# KiCad board mekanical HS.kicad_pcb
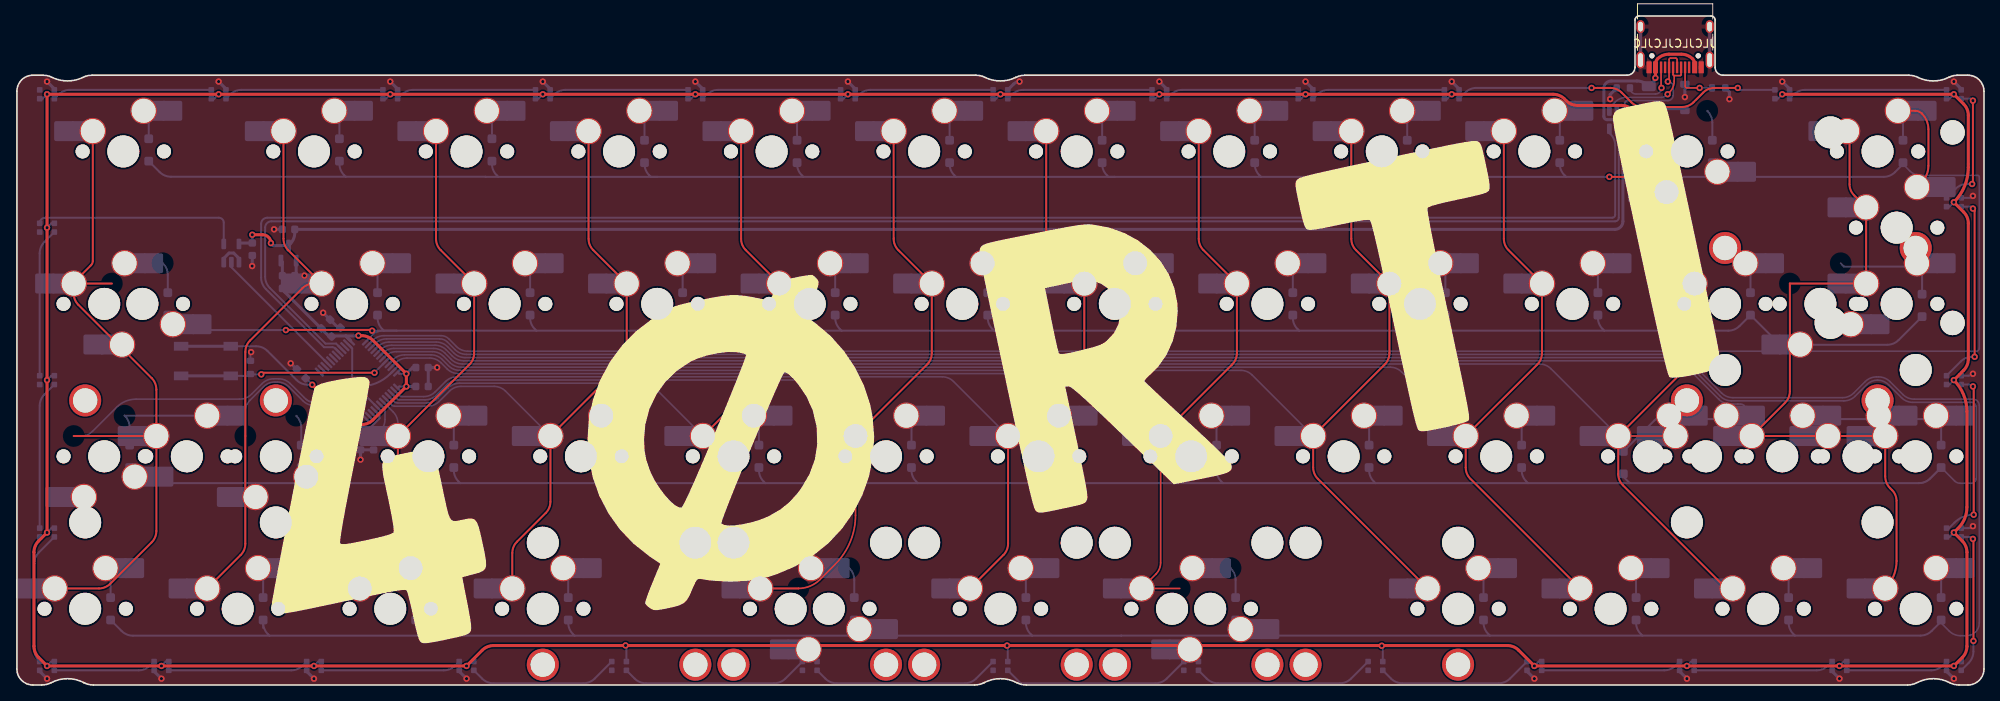
[diagram p0: board, top side]
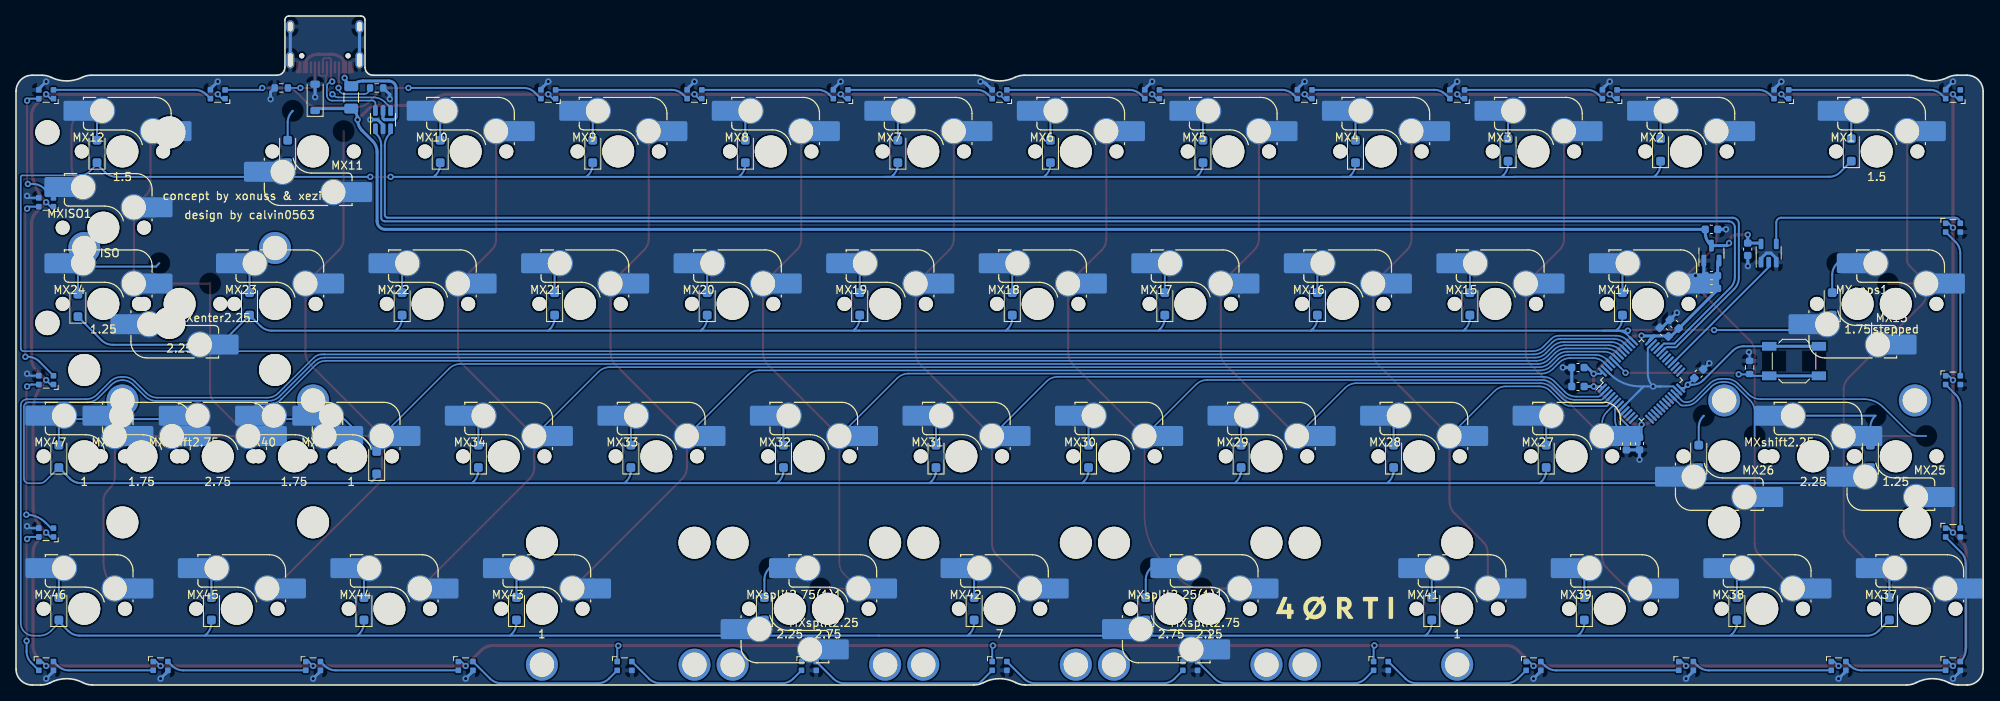
[diagram p1: board, bottom side, seen from below]

Outline 245.65 x 83.6 mm; copper layers: Top, Bottom. Coordinates in mm from the lower left corner of the outline.
Outline path: 0,74.2 0,2 arc(0.59,0.59) 2,0 3.12,0 arc(3.72,0.07) 4.28,0.29 arc(6.33,0.79) 8.37,0.29 arc(8.93,0.07) 9.53,0 119.62,0 arc(120.22,0.07) 120.78,0.29 arc(122.83,0.79) 124.87,0.29 arc(125.43,0.07) 126.03,0 236.12,0 arc(236.72,0.07) 237.28,0.29 arc(239.33,0.79) 241.37,0.29 arc(241.93,0.07) 242.53,0 243.65,0 arc(245.06,0.59) 245.65,2 245.65,74.2 arc(245.06,75.61) 243.65,76.2 242.38,76.2 arc(241.81,76.13) 241.27,75.94 arc(239.33,75.49) 237.38,75.94 arc(236.84,76.13) 236.27,76.2 213.07,76.2 arc(212.36,76.49) 212.07,77.2 212.07,83.1 arc(211.92,83.45) 211.57,83.6 202.57,83.6 arc(202.22,83.45) 202.07,83.1 202.07,77.2 arc(201.78,76.49) 201.07,76.2 125.88,76.2 arc(125.31,76.13) 124.77,75.94 arc(122.83,75.49) 120.88,75.94 arc(120.34,76.13) 119.77,76.2 9.38,76.2 arc(8.81,76.13) 8.27,75.94 arc(6.33,75.49) 4.38,75.94 arc(3.84,76.13) 3.27,76.2 2,76.2 arc(0.59,75.61) 0,74.2
Stack: Top 0.035mm / dielectric 1.51mm FR4 er 4.5 / Bottom 0.035mm

## Placement (name value [footprint] x y rotation side)
C1  1uF  [C_0603_1608Metric]  33.93 56.94 0 bottom
C2  1uF  [C_0603_1608Metric]  33.93 51.15 180 bottom
C3  4.7uF  [C_0603_1608Metric]  33.92 49.56 0 bottom
C4  1uF  [C_0603_1608Metric]  38.57 45.1 45 bottom
C5  100nF  [C_0603_1608Metric]  35.51 38.89 135 bottom
C6  100nF  [C_0603_1608Metric]  39.85 44.1 45 bottom
C7  100nF  [C_0603_1608Metric]  50.59 39.67 0 bottom
C8  100nF  [C_0603_1608Metric]  42.91 30.16 270 bottom
C9  100nF  [C_0603_1608Metric]  50.59 37.31 0 bottom
C12  100nF  [C_0603_1608Metric]  29.39 54.45 90 bottom
C13  100nF  [C_0603_1608Metric]  44.54 30.15 270 bottom
D1  D_Small  [D_SOD-123F]  16.46 66.86 90 bottom
D2  D_Small  [D_SOD-123F]  40.28 66.86 90 bottom
D3  D_Small  [D_SOD-123F]  59.33 66.86 90 bottom
D4  D_Small  [D_SOD-123F]  78.38 66.68 90 bottom
D5  D_Small  [D_SOD-123F]  97.43 66.68 90 bottom
D6  D_Small  [D_SOD-123F]  116.48 66.68 90 bottom
D7  D_Small  [D_SOD-123F]  135.53 66.68 90 bottom
D8  D_Small  [D_SOD-123F]  154.58 66.68 90 bottom
D9  D_Small  [D_SOD-123F]  173.63 66.68 90 bottom
D10  D_Small  [D_SOD-123F]  192.68 66.68 90 bottom
D11  D_Small  [D_SOD-123F]  211.73 66.68 90 bottom
D12  D_Small  [D_SOD-123F]  235.54 66.68 90 bottom
D13  D_Small  [D_SOD-123F]  18.84 47.63 90 bottom
D14  D_Small  [D_SOD-123F]  45.04 47.63 90 bottom
D15  D_Small  [D_SOD-123F]  64.09 47.63 90 bottom
D16  D_Small  [D_SOD-123F]  83.14 47.63 90 bottom
D17  D_Small  [D_SOD-123F]  102.19 47.63 90 bottom
D18  D_Small  [D_SOD-123F]  121.24 47.63 90 bottom
D19  D_Small  [D_SOD-123F]  140.29 47.63 90 bottom
D20  D_Small  [D_SOD-123F]  159.34 47.63 90 bottom
D21  D_Small  [D_SOD-123F]  178.39 47.63 90 bottom
D22  D_Small  [D_SOD-123F]  197.44 47.63 90 bottom
D23  D_Small  [D_SOD-123F]  216.49 47.63 90 bottom
D24  D_Small  [D_SOD-123F]  237.92 47.44 90 bottom
D25  D_Small  [D_SOD-123F]  14.08 28.58 90 bottom
D26  D_Small  [D_SOD-123F]  35.51 28.58 90 bottom
D27  D_Small  [D_SOD-123F]  54.56 28.58 90 bottom
D28  D_Small  [D_SOD-123F]  73.61 28.58 90 bottom
D29  D_Small  [D_SOD-123F]  92.66 28.58 90 bottom
D30  D_Small  [D_SOD-123F]  111.71 28.58 90 bottom
D31  D_Small  [D_SOD-123F]  130.76 28.58 90 bottom
D32  D_Small  [D_SOD-123F]  149.81 28.58 90 bottom
D33  D_Small  [D_SOD-123F]  168.86 28.58 90 bottom
D34  D_Small  [D_SOD-123F]  187.91 28.58 90 bottom
D35  D_Small  [D_SOD-123F]  200.61 27.78 90 bottom
D36  D_Small  [D_SOD-123F]  240.3 28.58 90 bottom
D37  D_Small  [D_SOD-123F]  11.7 9.53 90 bottom
D38  D_Small  [D_SOD-123F]  30.75 9.53 90 bottom
D39  D_Small  [D_SOD-123F]  49.8 9.53 90 bottom
D40  D_Small  [D_SOD-123F]  104.57 9.53 90 bottom
D41  D_Small  [D_SOD-123F]  68.85 9.53 90 bottom
D42  D_Small  [D_SOD-123F]  126 9.53 90 bottom
D43  D_Small  [D_SOD-123F]  183.15 9.53 90 bottom
D44  D_Small  [D_SOD-123F]  202.2 9.53 90 bottom
D45  D_Small  [D_SOD-123F]  221.25 9.53 90 bottom
D46  D_Small  [D_SOD-123F]  240.3 9.53 90 bottom
D47  D_Small  [D_SOD-123F]  152.19 9.53 90 bottom
D_PWR1  SMF9.0CA  [D_SOD-123]  208.3 73.43 90 bottom
enter2.25  MX_stab  [STAB_MX_P_2.25u]  225.22 47.63 0 top
F1  500mA  [Fuse_1206_3216Metric]  203.79 73.43 270 bottom
G***  -  [LOGO]  123.62 -15.87 0 top
G***#2  -  [LOGO]  122.83 36.51 12 top
G***#3  -  [LOGO]  156.16 -15.08 180 bottom
G***#4  -  [LOGO]  136.32 -15.87 180 bottom
G***#5  -  [LOGO]  80.76 9.53 180 bottom
ISO1  MX_stab  [STAB_MX_ISO-ROT]  234.74 57.15 0 top
J2  USB_C_Receptacle_USB2.0  [USB_C_Receptacle_HRO_TYPE-C-31-M-12]  207.08 81.22 180 top
LED1  YS-SK6812MINI-E  [LED_WS2812_2020]  3.76 57.15 180 bottom
LED2  YS-SK6812MINI-E  [LED_WS2812_2020]  3.76 38.1 180 bottom
LED3  YS-SK6812MINI-E  [LED_WS2812_2020]  3.76 19.05 180 bottom
LED4  YS-SK6812MINI-E  [LED_WS2812_2020]  3.76 2.38 180 bottom
LED5  YS-SK6812MINI-E  [LED_WS2812_2020]  18.05 2.38 180 bottom
LED6  YS-SK6812MINI-E  [LED_WS2812_2020]  37.1 2.38 180 bottom
LED7  YS-SK6812MINI-E  [LED_WS2812_2020]  56.15 2.38 180 bottom
LED8  YS-SK6812MINI-E  [LED_WS2812_2020]  75.2 2.38 180 bottom
LED9  YS-SK6812MINI-E  [LED_WS2812_2020]  99.01 2.38 180 bottom
LED10  YS-SK6812MINI-E  [LED_WS2812_2020]  146.64 2.38 180 bottom
LED11  YS-SK6812MINI-E  [LED_WS2812_2020]  169.66 2.38 180 bottom
LED12  YS-SK6812MINI-E  [LED_WS2812_2020]  189.5 2.38 180 bottom
LED13  YS-SK6812MINI-E  [LED_WS2812_2020]  227.6 2.38 180 bottom
LED14  YS-SK6812MINI-E  [LED_WS2812_2020]  241.89 2.38 180 bottom
LED15  YS-SK6812MINI-E  [LED_WS2812_2020]  241.89 19.05 0 bottom
LED16  YS-SK6812MINI-E  [LED_WS2812_2020]  241.89 38.1 0 bottom
LED17  YS-SK6812MINI-E  [LED_WS2812_2020]  241.89 60.33 0 bottom
LED18  YS-SK6812MINI-E  [LED_WS2812_2020]  241.89 73.82 0 bottom
LED19  YS-SK6812MINI-E  [LED_WS2812_2020]  220.46 73.82 0 bottom
LED20  YS-SK6812MINI-E  [LED_WS2812_2020]  179.18 73.82 0 bottom
LED21  YS-SK6812MINI-E  [LED_WS2812_2020]  160.93 73.82 0 bottom
LED22  YS-SK6812MINI-E  [LED_WS2812_2020]  142.67 73.82 0 bottom
LED23  YS-SK6812MINI-E  [LED_WS2812_2020]  122.83 73.82 0 bottom
LED24  YS-SK6812MINI-E  [LED_WS2812_2020]  84.73 73.82 0 bottom
LED25  YS-SK6812MINI-E  [LED_WS2812_2020]  65.68 73.82 0 bottom
LED26  YS-SK6812MINI-E  [LED_WS2812_2020]  46.63 73.82 0 bottom
LED27  YS-SK6812MINI-E  [LED_WS2812_2020]  3.76 73.82 0 bottom
LED28  YS-SK6812MINI-E  [LED_WS2812_2020]  122.83 2.38 180 bottom
LED29  YS-SK6812MINI-E  [LED_WS2812_2020]  208.55 2.38 180 bottom
LED30  YS-SK6812MINI-E  [LED_WS2812_2020]  103.78 73.82 0 bottom
LED31  YS-SK6812MINI-E  [LED_WS2812_2020]  25.19 73.82 0 bottom
MX1  MX_SW_HS  [SW_MX_HS_1.5u]  13.29 66.68 180 bottom
MX2  MX_SW_HS  [SW_MX_HS_1u]  37.1 66.68 180 bottom
MX3  MX_SW_HS  [SW_MX_HS_1u]  56.15 66.68 180 bottom
MX4  MX_SW_HS  [SW_MX_HS_1u]  75.2 66.68 180 bottom
MX5  MX_SW_HS  [SW_MX_HS_1u]  94.25 66.68 180 bottom
MX6  MX_SW_HS  [SW_MX_HS_1u]  113.3 66.68 180 bottom
MX7  MX_SW_HS  [SW_MX_HS_1u]  132.35 66.68 180 bottom
MX8  MX_SW_HS  [SW_MX_HS_1u]  151.4 66.68 180 bottom
MX9  MX_SW_HS  [SW_MX_HS_1u]  170.45 66.68 180 bottom
MX10  MX_SW_HS  [SW_MX_HS_1u]  189.5 66.68 180 bottom
MX11  MX_SW_HS  [SW_MX_HS_1u]  208.55 66.68 0 bottom
MX12  MX_SW_HS  [SW_MX_HS_1.5u]  232.36 66.68 180 bottom
MX13  MX_SW_HS  [SW_MX_HS_1.75u]  15.67 47.63 0 bottom
MX14  MX_SW_HS  [SW_MX_HS_1u]  41.86 47.63 180 bottom
MX15  MX_SW_HS  [SW_MX_HS_1u]  60.91 47.63 180 bottom
MX16  MX_SW_HS  [SW_MX_HS_1u]  79.96 47.63 180 bottom
MX17  MX_SW_HS  [SW_MX_HS_1u]  99.01 47.63 180 bottom
MX18  MX_SW_HS  [SW_MX_HS_1u]  118.06 47.63 180 bottom
MX19  MX_SW_HS  [SW_MX_HS_1u]  137.11 47.63 180 bottom
MX20  MX_SW_HS  [SW_MX_HS_1u]  156.16 47.63 180 bottom
MX21  MX_SW_HS  [SW_MX_HS_1u]  175.21 47.63 180 bottom
MX22  MX_SW_HS  [SW_MX_HS_1u]  194.26 47.63 180 bottom
MX23  MX_SW_HS  [SW_MX_HS_1u]  213.31 47.63 180 bottom
MX24  MX_SW_HS  [SW_MX_HS_1.25u]  234.74 47.63 180 bottom
MX25  MX_SW_HS  [SW_MX_HS_1.25u]  10.91 28.58 0 bottom
MX26  MX_SW_HS  [SW_MX_HS_1u]  32.34 28.58 0 bottom
MX27  MX_SW_HS  [SW_MX_HS_1u]  51.39 28.58 180 bottom
MX28  MX_SW_HS  [SW_MX_HS_1u]  70.44 28.58 180 bottom
MX29  MX_SW_HS  [SW_MX_HS_1u]  89.49 28.58 180 bottom
MX30  MX_SW_HS  [SW_MX_HS_1u]  108.54 28.58 180 bottom
MX31  MX_SW_HS  [SW_MX_HS_1u]  127.59 28.58 180 bottom
MX32  MX_SW_HS  [SW_MX_HS_1u]  146.64 28.58 180 bottom
MX33  MX_SW_HS  [SW_MX_HS_1u]  165.69 28.58 180 bottom
MX34  MX_SW_HS  [SW_MX_HS_1u]  184.74 28.58 180 bottom
MX35  MX_SW_HS  [SW_MX_HS_1u]  203.79 28.58 180 bottom
MX36  MX_SW_HS  [SW_MX_HS_1.75u]  229.98 28.58 180 bottom
MX37  MX_SW_HS  [SW_MX_HS_1u]  8.53 9.53 180 bottom
MX38  MX_SW_HS  [SW_MX_HS_1u]  27.58 9.53 180 bottom
MX39  MX_SW_HS  [SW_MX_HS_1u]  46.63 9.53 180 bottom
MX40  MX_SW_HS  [SW_MX_HS_1.75u]  210.93 28.58 180 bottom
MX41  MX_SW_HS  [SW_MX_HS_1u]  65.68 9.53 180 bottom
MX42  MX_SW_HS  [SW_MX_HS_1u]  122.83 9.53 180 bottom
MX43  MX_SW_HS  [SW_MX_HS_1u]  179.98 9.53 180 bottom
MX44  MX_SW_HS  [SW_MX_HS_1u]  199.03 9.53 180 bottom
MX45  MX_SW_HS  [SW_MX_HS_1u]  218.08 9.53 180 bottom
MX46  MX_SW_HS  [SW_MX_HS_1u]  237.13 9.53 180 bottom
MX47  MX_SW_HS  [SW_MX_HS_1u]  237.13 28.58 180 bottom
MXcaps1  MX_SW_HS  [SW_MX_HS_1.75u_STP_1.25]  10.91 47.63 180 bottom
MXenter2.25  MX_SW_HS  [SW_MX_HS_1u]  225.22 47.63 0 bottom
MXISO1  MX_SW_HS  [SW_MX_HS_1u]  234.74 57.15 180 bottom
MXshift2.25  MX_SW_HS  [SW_MX_HS_1u]  21.23 28.58 180 bottom
MXshift2.75  MX_SW_HS  [SW_MX_HS_1u]  220.46 28.58 180 bottom
MXsplit2.25  MX_SW_HS  [SW_MX_HS_1u]  149.02 9.53 0 bottom
MXsplit2.25(1)1  MX_SW_HS  [SW_MX_HS_1u]  96.63 9.53 180 bottom
MXsplit2.75  MX_SW_HS  [SW_MX_HS_1u]  101.39 9.53 0 bottom
MXsplit2.75(1)1  MX_SW_HS  [SW_MX_HS_1u]  144.26 9.53 180 bottom
R1  5k1  [R_0603_1608Metric]  212.52 74.61 0 bottom
R2  5k1  [R_0603_1608Metric]  200.61 74.61 180 bottom
R6  10k  [R_0603_1608Metric]  29.16 39.69 90 bottom
S1  MX_stab  [STAB_MX_P_7u]  122.83 9.53 180 top
S2  MX_stab  [STAB_MX_P_2.25u]  149.02 9.53 180 top
S3  MX_stab  [STAB_MX_P_2.75u]  101.39 9.53 180 top
S4  MX_stab  [STAB_MX_P_2.25u]  96.63 9.53 180 top
S5  MX_stab  [STAB_MX_P_2.75u]  144.26 9.53 180 top
shift2.25  MX_stab  [STAB_MX_P_2.25u]  20.43 28.58 0 top
shift2.75  MX_stab  [STAB_MX_P_2.75u]  220.46 28.58 0 top
SW2  SKQGABE010  [SW_SPST_SKQG_WithoutStem]  23.61 40.48 180 bottom
U1  USBLC6-2SC6  [SOT-23-6]  199.82 70.64 90 bottom
U2  XC6206PxxxMR-Regulator_Linear  [SOT-23]  33.93 53.98 90 bottom
U3  STM32F072C8Tx  [LQFP-48_7x7mm_P0.5mm]  42.66 38.1 135 bottom
U4  74AHCT1G125  [TSOT-23-5]  26.78 53.98 90 bottom

## Library data of the parts
C1 C2 = -: Description: Unpolarized capacitor, small symbol; LCSC: C52923
C3-C9 C12 = -: Description: Unpolarized capacitor, small symbol
C13 = -: Description: Unpolarized capacitor, small symbol; LCSC: C307331
D1-D47 = -: Description: Diode, small symbol; Sim.Device: D; Sim.Pins: 1=K 2=A
D_PWR1 = -: Description: Bidirectional transient-voltage-suppression diode
enter2.25 ISO1 S1-S5 shift2.25 shift2.75 = -: Description: Cherry MX-style stabilizer
F1 = -: Description: Resettable fuse, polymeric positive temperature coefficient, small symbol; LCSC: C70076
J2 = -: Description: USB 2.0-only Type-C Receptacle connector; LCSC: C165948
MX1-MX47 MXcaps1 MXenter2.25 MXISO1 MXshift2.25 MXshift2.75 MXsplit2.25 MXsplit2.25(1)1 MXsplit2.75 MXsplit2.75(1)1 = -: Description: Push button switch, normally open, two pins, 45° tilted
R1 R2 = -: Description: Resistor, small symbol; LCSC: C25905
R6 = -: Description: Resistor, small symbol
SW2 = -: Description: Push button switch, generic, two pins; LCSC: C115351
U1 = -: Description: Very low capacitance ESD protection diode, 2 data-line, SOT-23-6; LCSC: C2827654
U2 = -: Description: SMD LDO regulator family; LCSC: C5446
U3 = -: Description: STMicroelectronics Arm Cortex-M0 MCU, 64KB flash, 16KB RAM, 48 MHz, 2.0-3.6V, 37 GPIO, LQFP48
U4 = -: Description: Single Buffer Gate Tri-State, Low-Voltage CMOS

## Footprints (pads in the part's own frame, mm; a bottom-side part is the same pattern mirrored in y, then rotated)
C_0603_1608Metric
  rrect 0.9x0.95 smd: 1(-0.775,0) 2(0.775,0)
D_SOD-123
  rrect 0.9x1.2 smd: 1(-1.65,0) 2(1.65,0)
D_SOD-123F
  rrect 1.1x1.1 smd: 1(-1.4,0) 2(1.4,0)
Fuse_1206_3216Metric
  rrect 1.25x1.75 smd: 1(-1.4,0) 2(1.4,0)
LED_WS2812_2020
  rrect 0.7x0.7 smd: 1(-0.915,0.55) 2(-0.915,-0.55) 3(0.915,-0.55) 4(0.915,0.55)
LQFP-48_7x7mm_P0.5mm
  rrect 1.475x0.3 smd: 1(-4.162,2.75) 2(-4.162,2.25) 3(-4.162,1.75) 4(-4.162,1.25) 5(-4.162,0.75) 6(-4.162,0.25) 7(-4.162,-0.25) 8(-4.162,-0.75) 9(-4.162,-1.25) 10(-4.162,-1.75) 11(-4.162,-2.25) 12(-4.162,-2.75) 25(4.162,-2.75) 26(4.162,-2.25) 27(4.162,-1.75) 28(4.162,-1.25) 29(4.162,-0.75) 30(4.162,-0.25) 31(4.162,0.25) 32(4.162,0.75) 33(4.162,1.25) 34(4.162,1.75) 35(4.162,2.25) 36(4.162,2.75)
  rrect 0.3x1.475 smd: 13(-2.75,-4.162) 14(-2.25,-4.162) 15(-1.75,-4.162) 16(-1.25,-4.162) 17(-0.75,-4.162) 18(-0.25,-4.162) 19(0.25,-4.162) 20(0.75,-4.162) 21(1.25,-4.162) 22(1.75,-4.162) 23(2.25,-4.162) 24(2.75,-4.162) 37(2.75,4.162) 38(2.25,4.162) 39(1.75,4.162) 40(1.25,4.162) 41(0.75,4.162) 42(0.25,4.162) 43(-0.25,4.162) 44(-0.75,4.162) 45(-1.25,4.162) 46(-1.75,4.162) 47(-2.25,4.162) 48(-2.75,4.162)
R_0603_1608Metric
  rrect 0.8x0.95 smd: 1(-0.825,0) 2(0.825,0)
SOT-23
  rrect 1.475x0.6 smd: 1(-0.938,0.95) 2(-0.938,-0.95) 3(0.938,0)
SOT-23-6
  rrect 1.325x0.6 smd: 1(-1.137,0.95) 2(-1.137,0) 3(-1.137,-0.95) 4(1.137,-0.95) 5(1.137,0) 6(1.137,0.95)
STAB_MX_ISO-ROT
  round 3.988 hole 3.988 unplated: (-8.255,11.906) (-8.255,-11.906)
  round 3.048 hole 3.048 unplated: (6.985,11.906) (6.985,-11.906)
STAB_MX_P_2.25u
  round 4 hole 3.048: (-11.906,6.985) (11.906,6.985)
  round 3.988 hole 3.988 unplated: (-11.906,-8.255) (11.906,-8.255)
STAB_MX_P_2.75u
  round 4 hole 3.048: (-11.906,6.985) (11.906,6.985)
  round 3.988 hole 3.988 unplated: (-11.906,-8.255) (11.906,-8.255)
STAB_MX_P_7u
  round 4 hole 3.048: (-57.15,6.985) (57.15,6.985)
  round 3.988 hole 3.988 unplated: (-57.15,-8.255) (57.15,-8.255)
SW_MX_HS_1.5u
  round 1.75 hole 1.75 unplated: (-5.08,0) (5.08,0)
  round 3.988 hole 3.988 unplated: (0,0)
  round 3.3 hole 3: 1(3.81,2.54) 2(-2.54,5.08)
  rect 1.65x2.5 smd: 1(5.635,2.54) 2(-4.34,5.08)
  rrect 2.55x2.5 smd: 1(7.36,2.54) 2(-6.09,5.08)
SW_MX_HS_1.25u
  round 1.75 hole 1.75 unplated: (-5.08,0) (5.08,0)
  round 3.988 hole 3.988 unplated: (0,0)
  round 3.3 hole 3: 1(3.81,2.54) 2(-2.54,5.08)
  rect 1.65x2.5 smd: 1(5.635,2.54) 2(-4.34,5.08)
  rrect 2.55x2.5 smd: 1(7.36,2.54) 2(-6.09,5.08)
SW_MX_HS_1.75u
  round 1.75 hole 1.75 unplated: (-5.08,0) (5.08,0)
  round 3.988 hole 3.988 unplated: (0,0)
  round 3.3 hole 3: 1(3.81,2.54) 2(-2.54,5.08)
  rect 1.65x2.5 smd: 1(5.635,2.54) 2(-4.34,5.08)
  rrect 2.55x2.5 smd: 1(7.36,2.54) 2(-6.09,5.08)
SW_MX_HS_1.75u_STP_1.25
  round 1.75 hole 1.75 unplated: (-5.08,0) (5.08,0)
  round 3.988 hole 3.988 unplated: (0,0)
  round 3.3 hole 3: 1(3.81,2.54) 2(-2.54,5.08)
  rect 1.65x2.5 smd: 1(5.635,2.54) 2(-4.34,5.08)
  rrect 2.55x2.5 smd: 1(7.36,2.54) 2(-6.09,5.08)
SW_MX_HS_1u
  round 1.75 hole 1.75 unplated: (-5.08,0) (5.08,0)
  round 3.988 hole 3.988 unplated: (0,0)
  round 3.3 hole 3: 1(3.81,2.54) 2(-2.54,5.08)
  rect 1.65x2.5 smd: 1(5.635,2.54) 2(-4.34,5.08)
  rrect 2.55x2.5 smd: 1(7.36,2.54) 2(-6.09,5.08)
SW_SPST_SKQG_WithoutStem
  rect 1.8x1.1 smd: 1(-3.1,1.85) 1(3.1,1.85) 2(-3.1,-1.85) 2(3.1,-1.85)
TSOT-23-5
  rrect 1.325x0.6 smd: 1(-1.137,0.95) 2(-1.137,0) 3(-1.137,-0.95) 4(1.137,-0.95) 5(1.137,0.95)
USB_C_Receptacle_HRO_TYPE-C-31-M-12
  round 0.65 hole 0.65 unplated: (-2.89,2.6) (2.89,2.6)
  rect 0.6x1.45 smd: A1(-3.25,4.045) A4(-2.45,4.045) A9(2.45,4.045) A12(3.25,4.045) B1(3.25,4.045) B4(2.45,4.045) B9(-2.45,4.045) B12(-3.25,4.045)
  rect 0.3x1.45 smd: A5(-1.25,4.045) A6(-0.25,4.045) A7(0.25,4.045) A8(1.25,4.045) B5(1.75,4.045) B6(0.75,4.045) B7(-0.75,4.045) B8(-1.75,4.045)
  oval 1x2.1 hole 0.6x1.7: S1(-4.32,3.13) S1(4.32,3.13)
  oval 1x1.6 hole 0.6x1.2: S1(-4.32,-1.05) S1(4.32,-1.05)

## Nets
+3V3: C2.2 C3.1 C4.1 C5.1 C6.1 C7.1 C8.1 C9.1 SW2.1 U2.2 U3.1 U3.9 U3.24 U3.36 U3.48
+5V: C1.2 C12.2 D_PWR1.1 F1.2 LED1.1 LED2.1 LED3.1 LED4.1 LED5.1 LED6.1 LED7.1 LED8.1 LED9.1 LED10.1 LED11.1 LED12.1 LED13.1 LED14.1 LED15.1 LED16.1 LED17.1 LED18.1 LED19.1 LED20.1 LED21.1 LED22.1 LED23.1 LED24.1 LED25.1 LED26.1 LED27.1 LED28.1 LED29.1 LED30.1 LED31.1 U2.3 U4.5
GND: C1.1 C2.1 C3.2 C4.2 C5.2 C6.2 C7.2 C8.2 C9.2 C12.1 C13.2 D_PWR1.2 J2.A1 J2.A12 J2.B1 J2.B12 J2.S1 LED1.3 LED2.3 LED3.3 LED4.3 LED5.3 LED6.3 LED7.3 LED8.3 LED9.3 LED10.3 LED11.3 LED12.3 LED13.3 LED14.3 LED15.3 LED16.3 LED17.3 LED18.3 LED19.3 LED20.3 LED21.3 LED22.3 LED23.3 LED24.3 LED25.3 LED26.3 LED27.3 LED28.3 LED29.3 LED30.3 LED31.3 R1.2 R2.2 R6.2 U1.2 U2.1 U3.8 U3.23 U3.35 U3.47 U4.1 U4.3
VBUS: F1.1 J2.A4 J2.A9 J2.B4 J2.B9 U1.5
/CC1: J2.A5 R1.1
/CC2: J2.B5 R2.1
BOOT0: R6.1 SW2.2 U3.44
COL0: MX1.1 MX13.1 MX25.1 MX37.1 MXcaps1.1 MXshift2.25.1 U3.22
COL1: MX2.1 MX14.1 MX26.1 MX38.1 U3.21
COL2: MX3.1 MX15.1 MX27.1 MX39.1 U3.6
COL3: MX4.1 MX16.1 MX28.1 MX41.1 U3.5
COL4: MX5.1 MX17.1 MX29.1 U3.4
COL5: MX6.1 MX18.1 MX30.1 MXsplit2.25(1)1.1 MXsplit2.75.1 U3.3
COL6: MX7.1 MX19.1 MX31.1 MX42.1 U3.2
COL7: MX8.1 MX20.1 MX32.1 MXsplit2.25.1 MXsplit2.75(1)1.1 U3.46
COL8: MX9.1 MX21.1 MX33.1 MX43.1 U3.45
COL9: MX10.1 MX22.1 MX34.1 MX44.1 U3.43
COL10: MX11.1 MX23.1 MX35.1 MX40.1 MX45.1 U3.42
COL11: MX12.1 MX24.1 MX36.1 MX46.1 MX47.1 MXenter2.25.1 MXISO1.1 MXshift2.75.1 U3.41
D_N: U1.3 U3.32
D_P: U1.1 U3.33
D_USB_N: J2.A7 J2.B7 U1.4
D_USB_P: J2.A6 J2.B6 U1.6
NRST: C13.1 U3.7
RGB MCU: U3.28 U4.2
rgb underglow: LED1.4 U4.4
ROW0: D1.1 D2.1 D3.1 D4.1 D5.1 D6.1 D7.1 D8.1 D9.1 D10.1 D11.1 D12.1 U3.38
ROW1: D13.1 D14.1 D15.1 D16.1 D17.1 D18.1 D19.1 D20.1 D21.1 D22.1 D23.1 D24.1 U3.37
ROW2: D25.1 D26.1 D27.1 D28.1 D29.1 D30.1 D31.1 D32.1 D33.1 D34.1 D35.1 D36.1 U3.40
ROW3: D37.1 D38.1 D39.1 D40.1 D41.1 D42.1 D43.1 D44.1 D45.1 D46.1 D47.1 U3.39
Net-(D1-A): D1.2 MX1.2
Net-(D2-A): D2.2 MX2.2
Net-(D3-A): D3.2 MX3.2
Net-(D4-A): D4.2 MX4.2
Net-(D5-A): D5.2 MX5.2
Net-(D6-A): D6.2 MX6.2
Net-(D7-A): D7.2 MX7.2
Net-(D8-A): D8.2 MX8.2
Net-(D9-A): D9.2 MX9.2
Net-(D10-A): D10.2 MX10.2
Net-(D11-A): D11.2 MX11.2
Net-(D12-A): D12.2 MX12.2 MXISO1.2
Net-(D13-A): D13.2 MX13.2 MXcaps1.2
Net-(D14-A): D14.2 MX14.2
Net-(D15-A): D15.2 MX15.2
Net-(D16-A): D16.2 MX16.2
Net-(D17-A): D17.2 MX17.2
Net-(D18-A): D18.2 MX18.2
Net-(D19-A): D19.2 MX19.2
Net-(D20-A): D20.2 MX20.2
Net-(D21-A): D21.2 MX21.2
Net-(D22-A): D22.2 MX22.2
Net-(D23-A): D23.2 MX23.2
Net-(D24-A): D24.2 MX24.2 MXenter2.25.2
Net-(D25-A): D25.2 MX25.2 MXshift2.25.2
Net-(D26-A): D26.2 MX26.2
Net-(D27-A): D27.2 MX27.2
Net-(D28-A): D28.2 MX28.2
Net-(D29-A): D29.2 MX29.2
Net-(D30-A): D30.2 MX30.2
Net-(D31-A): D31.2 MX31.2
Net-(D32-A): D32.2 MX32.2
Net-(D33-A): D33.2 MX33.2
Net-(D34-A): D34.2 MX34.2
Net-(D35-A): D35.2 MX35.2 MX40.2
Net-(D36-A): D36.2 MX36.2 MX47.2 MXshift2.75.2
Net-(D37-A): D37.2 MX37.2
Net-(D38-A): D38.2 MX38.2
Net-(D39-A): D39.2 MX39.2
Net-(D40-A): D40.2 MXsplit2.25(1)1.2 MXsplit2.75.2
Net-(D41-A): D41.2 MX41.2
Net-(D42-A): D42.2 MX42.2
Net-(D43-A): D43.2 MX43.2
Net-(D44-A): D44.2 MX44.2
Net-(D45-A): D45.2 MX45.2
Net-(D46-A): D46.2 MX46.2
Net-(D47-A): D47.2 MXsplit2.25.2 MXsplit2.75(1)1.2
Net-(LED1-DOUT): LED1.2 LED2.4
Net-(LED2-DOUT): LED2.2 LED3.4
Net-(LED3-DOUT): LED3.2 LED4.4
Net-(LED4-DOUT): LED4.2 LED5.4
Net-(LED5-DOUT): LED5.2 LED6.4
Net-(LED6-DOUT): LED6.2 LED7.4
Net-(LED7-DOUT): LED7.2 LED8.4
Net-(LED8-DOUT): LED8.2 LED9.4
Net-(LED10-DIN): LED10.4 LED28.2
Net-(LED10-DOUT): LED10.2 LED11.4
Net-(LED11-DOUT): LED11.2 LED12.4
Net-(LED12-DOUT): LED12.2 LED29.4
Net-(LED13-DIN): LED13.4 LED29.2
Net-(LED13-DOUT): LED13.2 LED14.4
Net-(LED14-DOUT): LED14.2 LED15.4
Net-(LED15-DOUT): LED15.2 LED16.4
Net-(LED16-DOUT): LED16.2 LED17.4
Net-(LED17-DOUT): LED17.2 LED18.4
Net-(LED18-DOUT): LED18.2 LED19.4
Net-(LED19-DOUT): LED19.2 LED20.4
Net-(LED20-DOUT): LED20.2 LED21.4
Net-(LED21-DOUT): LED21.2 LED22.4
Net-(LED22-DOUT): LED22.2 LED23.4
Net-(LED23-DOUT): LED23.2 LED30.4
Net-(LED24-DIN): LED24.4 LED30.2
Net-(LED24-DOUT): LED24.2 LED25.4
Net-(LED25-DOUT): LED25.2 LED26.4
Net-(LED26-DOUT): LED26.2 LED31.4
Net-(LED27-DIN): LED27.4 LED31.2
Net-(LED28-DIN): LED9.2 LED28.4

Pads without a net: J2 A8 B8; LED27 2; U3 10 11 12 13 14 15 16 17 18 19 20 25 26 27 29 30 31 34

## Via types
v1: diameter 0.8, hole 0.4, Top to Bottom, 96 vias
